# Altium PCB EPS_v1.PcbDoc (part 4 of 4)
Units mil, origin at the board's own origin, x right, y up, seen from the top; angles counter-clockwise.
Board outline 3775.2 x 3550 mil, 6 copper layers (Top Layer, GND1, PWR, Signal, GND2, Bottom Layer), stack 55.912 mil thick; 413 components, 280 nets, 1452 pads, 325 vias.
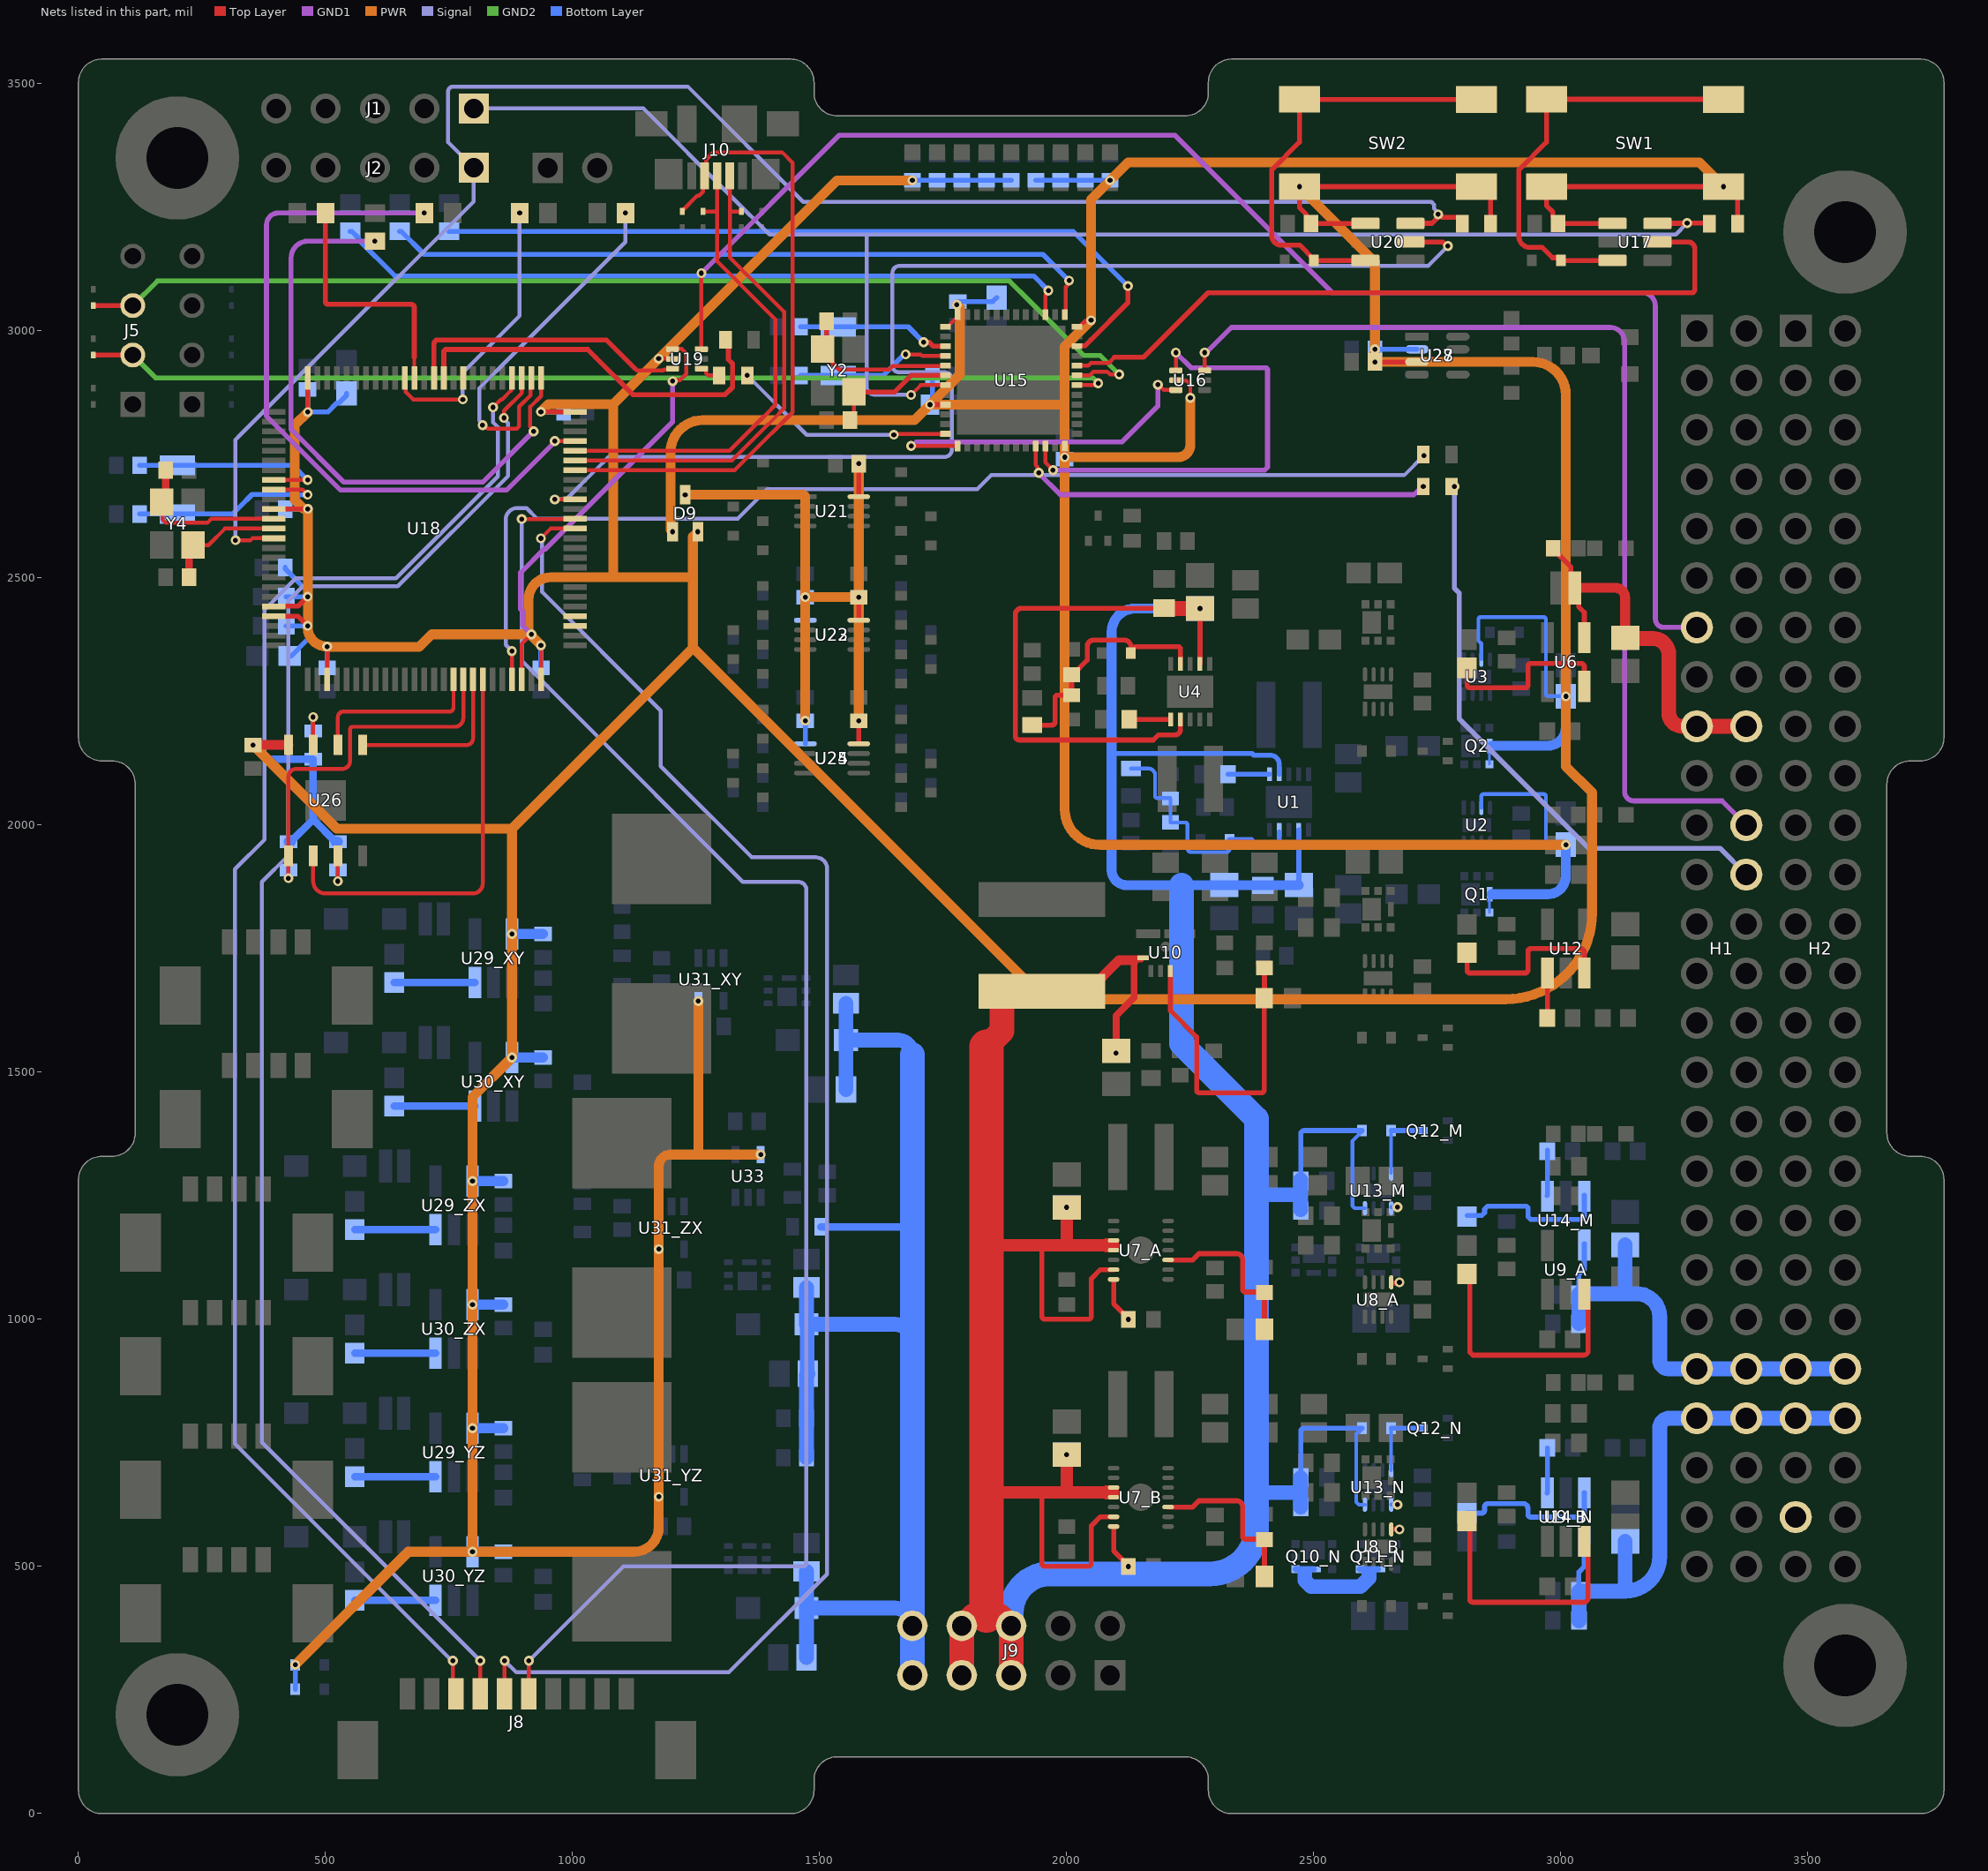
[diagram p8: the nets of this part, all layers, seen from the top]

## Via types
v1: diameter 20, hole 10, Top Layer to Signal, 73 vias
v2: diameter 20, hole 10, Top Layer to Bottom Layer, 52 vias
v3: diameter 20, hole 10, Top Layer to GND1, 48 vias
v4: diameter 19.68, hole 7.87, Top Layer to Bottom Layer, 38 vias
v5: diameter 20, hole 10, Signal to Bottom Layer, 27 vias
v6: diameter 19, hole 10, Top Layer to GND1, 20 vias
v7: diameter 20, hole 10, PWR to Bottom Layer, 18 vias
v8: diameter 20, hole 10, Top Layer to GND2, 12 vias
v9: diameter 20, hole 10, Top Layer to PWR, 11 vias
v10: diameter 20, hole 10, GND2 to Bottom Layer, 10 vias
v11: diameter 20, hole 10, GND1 to Bottom Layer, 9 vias
v12: diameter 19, hole 10, GND2 to Bottom Layer, 4 vias
v13: diameter 19, hole 10, Top Layer to Bottom Layer, 3 vias

## Nets (pads, with @x,y where several pads share a name; then routed paths per layer and width w, separated by ;. In a path a pad name is that pad's centre, name@x,y a point inside that pad or via, vN(x,y) a via of type N, cw(c..) or ccw(c..) an arc to the next point about the centre after c; other vN are vias at no path point) (continued)
NetQ10_N_4: Q10_N.4 Q10_N.7 Q11_N.4 Q11_N.7 | length 232.8
  Bottom Layer w12: Q10_N.4@2463.09,494.41 Q10_N.7@2500,494.41 ; Q11_N.4@2593.09,494.41 2611.55,494.41 Q11_N.7@2630,494.41
  Bottom Layer w30: 2481.73,472.33 2494.86,459.2 2593.97,459.2 2611.55,476.77 2611.55,485 ; 2481.73,476.77 2481.73,485
NetQ12_M_3: Q12_M.3 R51_M.2 U13_M.4 | length 148.5
  Bottom Layer w7.5: U13_M.4@2656.57,1296.93 R51_M.2@2656.57,1381.97
  Bottom Layer w10: R51_M.2@2656.57,1381.97 Q12_M.3@2720,1381.97
NetQ12_N_3: Q12_N.3 R51_N.2 U13_N.4 | length 148.5
  Bottom Layer w7.5: U13_N.4@2656.57,694.96 R51_N.2@2656.57,780
  Bottom Layer w10: R51_N.2@2656.57,780 Q12_N.3@2720,780
NetR2_2: R2.2 U1.1 | length 84.1
  Bottom Layer w10: R2.2@2326.57,2103.01 U1.1@2410.63,2103.01
NetR3_2: R3.2 R4.2 R5.2 R6.1 U1.9 | length 499.8
  Bottom Layer w7.5: R6.1@2130,2114.47 2165.35,2114.47 cw(c2165.35,2101.11) 2178.71,2101.11 2178.71,2059.09 ccw(c2183.11,2059.09) 2183.11,2054.7 R5.2@2209.4,2054.7 ; R5.2@2210,2053.8 R4.2@2210,2005.62 2210.47,2005.16 2240.06,2005.16 cw(c2240.06,2000.76) 2244.45,2000.76 2244.45,1953.14 ccw(c2252.12,1953.14) 2252.12,1945.47 2323.17,1945.47 ccw(c2323.17,1951.83) 2329.53,1951.83 R3.2@2329.53,1970.53
  Bottom Layer w10: R3.2@2329.53,1970.53 2373.96,1970.53 2381.97,1962.53 2421.56,1962.53 ccw(c2421.56,1971.02) 2430.05,1971.02 U1.9@2430.05,1985.8
NetR12_2: R12.2 U4.1 | length 84.1
  Top Layer w10: R12.2@2126.57,2213.9 U4.1@2210.63,2213.9
NetR13_2: R13.2 R14.2 R15.2 R16.1 U4.9 | length 505.4
  Top Layer w10: R16.1@1930,2202.44 1970.32,2202.44 ccw(c1970.32,2208.3) 1976.18,2208.3 1976.18,2257.25 cw(c1982.04,2257.25) 1982.04,2263.11 R15.2@2010,2263.11 R14.2@2010,2304.38 2012.08,2304.38 2041.47,2333.77 2041.47,2361.37 cw(c2054.62,2361.37) 2054.62,2374.52 2105.91,2374.52 2115.69,2374.52 cw(c2115.69,2360.2) 2130.01,2360.46 cw(c2120.01,2360.35) 2130.01,2360.34 2130.01,2360.14 2129.81,2355.02 R13.2@2129.53,2348.21 cw(c2142.69,2348.21) 2142.69,2361.37 2224.38,2361.37 cw(c2224.38,2355.51) 2230.24,2355.51 2230.24,2326.18 U4.9@2230.31,2326.1
NetR21_2: R21.2 U6.3 | length 377.7
  Top Layer w10: R21.2@2810,2319.15 2810,2283.72 ccw(c2815.86,2283.72) 2815.86,2277.86 2927.37,2277.86 ccw(c2927.37,2283.72) 2933.23,2283.72 2933.23,2321.21 cw(c2939.09,2321.21) 2939.09,2327.07 3040.63,2327.07 cw(c3040.63,2320.3) 3047.4,2320.3 U6.3@3047.4,2277.86 ; U6.3@3047.4,2280.79 U6.3@3055.2,2272.99
NetR26_A_1: R26_A.1 R27_A.2 U7_A.3 | length 345
  Top Layer w10: U7_A.3@2205.12,1120.31 2254.94,1120.31 2267.51,1132.89 2344.38,1132.89 cw(c2344.38,1121.39) 2355.88,1121.39 2355.88,1061.14 ccw(c2361.73,1061.14) 2361.73,1055.29 2399.09,1055.29 R26_A.1@2400,1054.38 R27_A.2@2400,980
NetR26_B_1: R26_B.1 R27_B.2 U7_B.3 | length 345
  Top Layer w10: U7_B.3@2205.12,620.31 2254.94,620.31 2267.51,632.89 2344.38,632.89 cw(c2344.38,621.39) 2355.88,621.39 2355.88,561.14 ccw(c2361.73,561.14) 2361.73,555.29 2399.09,555.29 R26_B.1@2400,554.38 R27_B.2@2400,480
NetR32_A_2: R32_A.2 U9_A.3 | length 525
  Top Layer w10: R32_A.2@2810,1092.07 2815.86,1086.22 2815.86,933.52 2821.72,927.66 3045.67,927.66 ccw(c3045.67,937.18) 3055.2,937.18 3055.2,1042.99 U9_A.3@3047.4,1050.79
NetR32_B_2: R32_B.2 U9_B.3 | length 524.6
  Top Layer w10: R32_B.2@2810,592.07 2815.86,576.31 2815.86,433.52 ccw(c2821.72,433.52) 2821.72,427.66 3045.67,427.66 ccw(c3045.67,437.18) 3055.2,437.18 3055.2,542.99 U9_B.3@3047.4,550.79
NetR38_2: R38.2 R39.2 U10.6 | length 652.8
  Top Layer w10: U10.6@2209.84,1704.72 2209.84,1624.68 2262.91,1571.6 2262.91,1464.2 ccw(c2268.77,1464.2) 2268.77,1458.34 2393.71,1458.34 ccw(c2393.71,1464.2) 2399.56,1464.2 R39.2@2399.56,1650 2400,1650.44 R38.2@2400,1710.97
NetR46_2: R46.2 U12.3 | length 366.7
  Top Layer w10: R46.2@2810,1742.07 2810,1706.65 ccw(c2815.86,1706.65) 2815.86,1700.79 2927.37,1700.79 ccw(c2927.37,1706.65) 2933.23,1706.65 2933.23,1744.14 cw(c2939.09,1744.14) 2939.09,1750 3040.63,1750 cw(c3040.63,1743.23) 3047.4,1743.23 U12.3@3047.4,1700.79
NetR47_1: R47.1 U12.1 | length 90.8
  Top Layer w10: R47.1@2972.6,1610 U12.1@2972.6,1700.79
NetR53_M_2: R53_M.2 U14_M.3 | length 317
  Bottom Layer w10: R53_M.2@2810,1209.89 2839.7,1209.89 2845.55,1215.75 2845.55,1222.61 2852.21,1229.26 2929.72,1229.26 2933.23,1225.75 2933.23,1207.83 2939.09,1201.97 3041.54,1201.97 3047.4,1207.83 U14_M.3@3047.4,1251.18
NetR53_N_2: R53_N.2 U14_N.3 | length 318.7
  Bottom Layer w10: R53_N.2@2810,607.93 2839.7,607.93 ccw(c2839.7,613.78) 2845.56,613.78 2845.56,620.64 cw(c2852.21,620.64) 2852.21,627.3 2923.46,627.3 cw(c2923.46,617.53) 2933.23,617.53 2933.23,605.86 ccw(c2939.09,605.86) 2939.09,600 3041.54,600 ccw(c3041.54,605.86) 3047.4,605.86 U14_N.3@3047.4,649.21
NetR56_M_1: R56_M.1 U14_M.1 | length 91.8
  Bottom Layer w10: U14_M.1@2971.89,1250.47 2972.6,1251.18 R56_M.1@2972.6,1341.97
NetR56_N_1: R56_N.1 U14_N.1 | length 91.8
  Bottom Layer w10: U14_N.1@2971.89,648.5 U14_N.1@2972.6,649.21 R56_N.1@2972.6,740
NetR60_2: R60.2 SW1.1 SW1.2 U17.3 | length 871.9
  Top Layer w10: U17.3@3104.53,3142.6 R60.2@3000.39,3142.6 3000.39,3143.28 2995.55,3148.13 2983.05,3148.13 2962.27,3168.91 2937.36,3168.91 cw(c2937.36,3191.24) 2915.03,3191.24 2915.03,3325.88 2970.87,3381.72 SW1.1@2970.87,3468.58 SW1.2@3328.74,3468.58
NetR67_2: R67.2 SW2.1 SW2.2 U20.3 | length 872
  Top Layer w10: U20.3@2604.53,3142.6 R67.2@2500.39,3142.6 2500.39,3144.57 2471.23,3173.73 2433.67,3173.73 cw(c2433.67,3192.37) 2415.03,3192.37 2415.03,3325.88 2470.87,3381.72 SW2.1@2470.87,3468.58 2471.26,3468.19 SW2.2@2829.13,3468.19
NetR111_2: R111.2 U26.3 | length 74.8
  Top Layer w8: v2(525,1886.5) 525,1935.94 U26.3@525.93,1936.87
  Top Layer w10: U26.3@525,1937.8 U26.3@525.93,1936.87
  Bottom Layer w8: v2(525,1886.5) R111.2@525,1909.25
NetR112_2: R112.2 U26.7 | length 84.4
  Top Layer w8: U26.7@475,2162.2 475,2207.48 v2(475,2218.7)
  Bottom Layer w8: R112.2@475,2190.75 v2(475,2218.7)
NetR117_XY_2: R117_XY.2 U29_XY.3 | length 163.5
  Bottom Layer w15: R117_XY.2@639.06,1681.43 U29_XY.3@802.6,1681.43
NetR117_YZ_2: R117_YZ.2 U29_YZ.3 | length 163.5
  Bottom Layer w15: R117_YZ.2@559.06,681.43 U29_YZ.3@722.6,681.43
NetR117_ZX_2: R117_ZX.2 U29_ZX.3 | length 163.5
  Bottom Layer w15: R117_ZX.2@559.06,1181.43 U29_ZX.3@722.6,1181.43
NetR120_XY_2: R120_XY.2 U30_XY.3 | length 163.5
  Bottom Layer w15: R120_XY.2@639.06,1431.43 U30_XY.3@802.6,1431.43
NetR120_YZ_2: R120_YZ.2 U30_YZ.3 | length 163.5
  Bottom Layer w15: R120_YZ.2@559.06,431.43 U30_YZ.3@722.6,431.43
NetR120_ZX_2: R120_ZX.2 U30_ZX.3 | length 163.5
  Bottom Layer w15: R120_ZX.2@559.06,931.43 U30_ZX.3@722.6,931.43
nRESET: J2.1 R68.2 U18.14 U20.6 | length 3457.1
  Top Layer w8: v1(317.9,2576.5) 348.33,2576.5 352.15,2580.31 U18.14@394.88,2580.31
  Top Layer w10: U20.6@2695.47,3217.4 2695.82,3217.75 2739.02,3217.75 2749.69,3228.42 2749.69,3233.87 v1(2751.6,3235.79) 2754.31,3235.79 2760.39,3229.7 2792.8,3229.7 2800.59,3221.91 R68.2@2800.59,3216.99
  Signal w8: v1(317.9,2576.5) 317.9,2780.03 325.83,2787.96 484.48,2946.61 800,3262.13 J2.1@800,3330 748.1,3381.9 748.1,3484.21 cw(c758.3,3484.21) 758.3,3494.41 1233.15,3494.41 1466.62,3260.93 2737.77,3260.93 2743.43,3255.27 2743.43,3247.21 2751.6,3239.03 v1(2751.6,3235.79)
nRESET_SR: J1.1 R61.2 U15.7 U17.6 | length 3161.4
  Top Layer w8: v1(1684.84,2870.47) 1704.53,2890.16 U15.7@1754.73,2890.16
  Top Layer w10: U17.6@3195.47,3217.4 3195.82,3217.75 3255.05,3217.75 v1(3255.4,3218.1) 3299.48,3218.1 R61.2@3300.59,3216.99
  Signal w8: J1.1@800,3450 1143.25,3450 1323.15,3270.1 1398.65,3194.6 1595.21,3194.6 ; v1(1684.84,2870.47) 1611.96,2870.47 cw(c1611.96,2887.22) 1595.21,2887.22 1595.21,3194.6 ; v1(3255.4,3218.1) 3232.39,3195.09 1595.7,3195.09 1595.21,3194.6
OBC_2_EPS: H1.13 U19.3 | length 3074.1
  Top Layer w8: U19.3@1260.61,2963.11 v3(1260.61,3116.77)
  GND1 w10: v3(1260.61,3116.77) 1539.74,3395.9 2218.69,3395.9 2537.19,3077.4 3164.11,3077.4 cw(c3164.11,3050.31) 3191.2,3050.31 3191.2,2417.37 ccw(c3208.57,2417.37) 3208.57,2400 H1.13@3275.2,2400
OBC_2_SR: H1.22 U16.3 | length 2111.4
  Top Layer w8: U16.3@2279.13,2919.68 v3(2279.13,2956.1)
  GND1 w10: v3(2279.13,2956.1) 2282.38,2956.1 2333.37,3007.09 3100,3007.09 cw(c3100,2978.29) 3128.8,2978.29 3128.8,2068.11 ccw(c3147.91,2068.11) 3147.91,2049 3326.2,2049 H1.22@3375.2,2000
OTG_DM: D18.1 J10.2 U18.70 | length 1006.1
  Top Layer w8: U18.70@1005.12,2737.8 1322.52,2737.8 1394.51,2809.79 1394.79,2809.79 1418.81,2833.8 1418.81,2834.09 1427.91,2843.19 1427.91,3038.89 1318.09,3148.71 1318.09,3241.54 ; J10.2@1318.09,3314.06 1318.09,3241.54 ; D18.1@1341.2,3241.54 1318.09,3241.54
OTG_DP: D19.1 J10.3 U18.71 | length 985.1
  Top Layer w8: U18.71@1005.12,2757.48 1317.45,2757.48 1387.26,2827.29 1387.55,2827.29 1401.31,2841.05 1401.31,2841.34 1410.41,2850.44 1410.41,3023.09 1292.5,3141 1292.5,3241.54 ; D19.1@1263.8,3241.54 1292.5,3241.54 ; J10.3@1292.5,3314.06 1292.5,3241.54
OTG_ID: D20.1 J10.4 U18.69 | length 1304.9
  Top Layer w8: U18.69@1005.12,2718.11 1046.61,2718.11 1327.87,2718.11 1402.04,2792.29 1402.33,2792.29 1445.41,2835.37 1445.41,3340.08 1424.08,3361.41 1284.74,3361.41 1270.14,3346.81 J10.4@1270.14,3317.29 ; D20.1@1221.8,3243.2 1251.99,3273.39 1255.77,3273.39 1263.68,3281.3 1263.68,3310.46 J10.4@1267.09,3313.87
PC14: C68.1 U18.8 Y3.1 | length 421.3
  Top Layer w8: U18.8@394.88,2698.43 v2(463.78,2698.43)
  Bottom Layer w10: C68.1@123.62,2727.95 Y3.1@200,2727.95 325.83,2727.95 434.25,2727.95 v2(463.78,2698.43)
PC14_SR: C53.1 U15.3 Y1.1 | length 309.8
  Top Layer w8: U15.3@1754.51,2969.11 U15.3@1754.73,2968.9
  Top Layer w10: v1(1710.32,2976.98) 1722.03,2976.98 1729.9,2969.11 U15.3@1754.51,2969.11
  Bottom Layer w10: C53.1@1461.22,3008.27 Y1.1@1537.6,3008.27 1679.03,3008.27 v1(1710.32,2976.98)
  other v5: 1710.32,2976.98
PC15: C69.1 U18.9 Y3.2 | length 430
  Top Layer w8: U18.9@394.88,2678.74 453.5,2678.74 v2(463.78,2668.46)
  Bottom Layer w10: C69.1@123.62,2629.53 Y3.2@200,2629.53 311.97,2629.53 325.83,2643.39 351.53,2669.09 438.24,2669.09 438.86,2668.46 v2(463.78,2668.46)
PC15_SR: C54.1 U15.4 Y1.2 | length 312.5
  Top Layer w8: v1(1673.99,2952.47) 1704.02,2952.47 1707.28,2949.21 U15.4@1754.73,2949.21
  Bottom Layer w10: C54.1@1461.22,2909.84 Y1.2@1537.6,2909.84 1628.54,2909.84 1671.17,2952.47 v1(1673.99,2952.47)
  other v5: 1673.99,2952.47
PG_3V3_1_BUCK: R28_A.1 U7_A.14 | length 93.2
  Top Layer w10: U7_A.14@2094.88,1080.94 2094.88,1031.57 2124.38,1002.08 v1(2124.38,1000)
PG_3V3_1_OCP: U8_A.5 | length 15.7
  Top Layer w10: U8_A.5@2658.2,1073.6 2671.95,1073.6 v1(2673.31,1074.96)
PG_3V3_2_BUCK: R28_B.1 U7_B.14 | length 93.2
  Top Layer w10: U7_B.14@2094.88,580.94 2094.88,531.57 2124.38,502.08 v1(2124.38,500)
PG_3V3_2_OCP: U8_B.5 | length 16.1
  Top Layer w10: U8_B.5@2657.75,574.6 2658.55,575.4 2672.87,575.4 v1(2673.31,574.96)
PG_UNREG1: U13_M.5 | length 12.4
  Bottom Layer w8: U13_M.5@2656.92,1227.01 v11(2669.37,1227.01)
PG_UNREG2: U13_N.5 | length 12.4
  Bottom Layer w8: U13_N.5@2656.93,625.04 v11(2669.37,625.04)
PH0: C71.1 U18.12 Y4.3 | length 334.8
  Top Layer w8: Y4.3@168.5,2653.15 169.91,2651.74 169.91,2618.28 176.6,2611.59 260.92,2611.59 269.01,2619.68 U18.12@394.88,2619.68
  Top Layer w15: Y4.3@168.5,2653.15 176.38,2661.02 C71.1@176.38,2718.11
PH0_SR: C56.1 U15.5 Y2.3 | length 333.8
  Top Layer w8: 1539.67,2921.43 1639.99,2921.43 1647.53,2928.97 1754.17,2928.97 U15.5@1754.73,2929.53
  Top Layer w9: C56.1@1513.98,3019.68 1513.98,2970.87 Y2.3@1506.1,2962.99 1525.23,2943.87 1525.23,2935.88 1539.67,2921.43
PH1: C70.1 U18.13 Y4.1 | length 245.5
  Top Layer w8: Y4.1@231.5,2566.54 263.04,2566.54 296.5,2600 U18.13@394.88,2600
  Top Layer w15: C70.1@223.62,2501.57 223.62,2558.66 Y4.1@231.5,2566.54
PH1_SR: C55.1 U15.6 Y2.1 | length 259.4
  Top Layer w8: C55.1@1561.22,2819.68 1569.1,2827.56 Y2.1@1569.1,2876.38
  Top Layer w10: Y2.1@1569.1,2876.38 1651.72,2876.38 1685.18,2909.84 U15.6@1754.73,2909.84
QUADSPI_BK1_IO0: U18.43 U26.5 | length 350.6
  Top Layer w8: U26.5@575,2162.2 785.54,2162.2 ccw(c785.54,2175.09) 798.43,2175.09 U18.43@798.43,2294.88
QUADSPI_BK1_IO1: U18.44 U26.2 | length 832.8
  Top Layer w8: U26.2@475,1937.8 475,1886.5 ccw(c499.5,1886.5) 499.5,1862 798.43,1862 ccw(c798.43,1881.68) 818.11,1881.68 U18.44@818.11,2294.88
QUADSPI_BK1_NCS: R127.2 U18.42 U26.1 | length 749.7
  Top Layer w8: v2(425,1892.52) U26.1@425,1937.8 425,2098.01 cw(c440.94,2098.01) 440.94,2113.95 533.96,2113.95 ccw(c533.96,2129.92) 549.93,2129.92 549.93,2194.31 cw(c554.62,2194.31) 554.62,2199 761.45,2199 ccw(c761.45,2216.29) 778.74,2216.29 U18.42@778.74,2294.88
  Bottom Layer w8: v2(425,1892.52) R127.2@425,1909.25
QUADSPI_CLK: U18.41 U26.6 | length 358.3
  Top Layer w8: U26.6@525,2162.2 525,2218.56 cw(c536.2,2218.56) 536.2,2229.76 750.55,2229.76 ccw(c750.55,2238.27) 759.06,2238.27 U18.41@759.06,2294.88
RBF_OPEN: H2.49
SPI2_MISO: U18.53
SPI2_MOSI: U18.54
SPI2_SCK: U18.84
SR_2_EPS: R59.1 U19.1 | length 45.9
  Top Layer w8: U19.1@1260.61,2923.74 1267.89,2923.74 1269.8,2921.83 1269.8,2914.55 1274.51,2909.84 R59.1@1296.46,2909.84
SR_2_OBC: H1.24 R58.1 | length 1185.4
  Signal w10: v1(2784.45,2685) 2784.45,2479.51 2794.25,2469.71 2794.25,2215.16 3056.39,1953.02 3322.18,1953.02 H1.24@3375.2,1900
SWCLK: R70.1 U18.76 | length 1234.1
  Top Layer w8: v3(921.17,2796.85) 921.17,2800.1 914.31,2806.96 914.31,2846.34 936.22,2868.25 U18.76@936.22,2905.12
  GND1 w10: v3(600,3181.46) 464.19,3181.46 ccw(c464.19,3147.46) 430.2,3147.46 430.2,2800.73 537.15,2693.78 818.1,2693.78 v3(921.17,2796.85)
SWCLK_SR: R63.1 U15.37 | length 1468.5
  Top Layer w8: U15.37@1995.87,3032.87 1997.63,3034.64 1997.63,3088.93 2004.65,3095.95 v1(2004.65,3101.75)
  Bottom Layer w10: R63.1@650,3201.46 652.95,3201.46 699.71,3154.7 1951.7,3154.7 v1(2004.65,3101.75)
  other v5: 2004.65,3101.75
SWDIO: R69.1 U18.72 | length 1448.4
  Top Layer w8: v3(964.1,2777.17) U18.72@1005.12,2777.17
  GND1 w10: v3(700,3238.54) 404.53,3238.54 ccw(c404.53,3214.6) 380.58,3214.6 380.58,2827.72 530.52,2677.78 865.86,2677.78 964.1,2776.02 v3(964.1,2777.17)
SWDIO_SR: R62.1 U15.34 | length 1593.1
  Top Layer w10: U15.34@2020.47,2968.9 2021.25,2969.68 2036.68,2969.68 2049.17,2982.17 2123.62,3056.61 v1(2123.62,3090.7)
  Bottom Layer w10: R62.1@750,3201.46 2012.87,3201.46 v1(2123.62,3090.7)
  other v5: 2123.62,3090.7
SWO: R71.1 U18.89 | length 505.3
  Top Layer w8: 679.6,2946.61 679.6,2905.83 U18.89@680.32,2905.12
  Top Layer w10: R71.1@500,3235.59 500,3059.41 ccw(c505.86,3059.41) 505.86,3053.55 673.74,3053.55 cw(c673.74,3047.69) 679.6,3047.69 679.6,2946.61
SWO_SR: R64.1 U15.39 | length 1513.7
  Top Layer w8: U15.39@1955.2,3035.2 1956.5,3036.5 1956.5,3071.95 1962.8,3078.25 v5(1962.8,3081.5)
  Bottom Layer w10: R64.1@550,3201.46 552.95,3201.46 566.67,3187.74 566.67,3184.79 640.26,3111.2 1933.1,3111.2 v5(1962.8,3081.5)
  other v1: 1962.8,3081.5
TDI: R73.1 U18.77 | length 742.9
  Top Layer w8: v1(817.82,2809.14) 821.07,2809.14 828.16,2802.04 886.92,2802.04 891.83,2806.96 891.83,2846.49 914.84,2869.5 914.84,2903.74 916.22,2905.12 U18.77@916.54,2905.12
  Signal w8: v1(817.82,2809.14) 817.82,2812.39 811.7,2818.51 811.7,2884.54 873.78,2946.61 1107.09,3179.92 1107.09,3237.59 v1@1108.5,3239
  other v1: 1107.09,3238.54
TIM3_CH1: J8.5 U18.63 | length 3304.1
  Top Layer w8: J8.5@862.39,242.39 v1(862.39,309.4) ; v1(935.81,2580.31) 955.49,2600 U18.63@1005.12,2600
  Signal w8: v1(862.39,309.4) 885.89,285.9 1316.2,285.9 1514.8,484.5 1514.8,1912.3 ccw(c1492.2,1912.3) 1492.2,1934.9 1362.47,1934.9 1178.4,2118.97 1178.4,2231.8 938.1,2472.1 938.1,2578.02 v1(935.81,2580.31)
TIM3_CH2: J8.6 U18.64 | length 3239.7
  Top Layer w8: v1(896.85,2619.3) 897.04,2619.49 1004.93,2619.49 U18.64@1005.12,2619.68 ; J8.6@911.61,242.39 v1(911.61,309.4)
  Signal w8: v1(896.85,2619.3) 896.85,2360.73 897.1,2360.48 897.1,2343.92 896.85,2343.67 896.85,2333.05 990.29,2239.61 1344.5,1885.4 1456.01,1885.4 cw(c1456.01,1868.11) 1473.31,1868.11 1473.31,504.69 1468.62,500 1102.21,500 v1(911.61,309.4)
TRST: R72.1 U18.90 | length 576
  Top Layer w8: U18.90@660.63,2905.12 662.41,2903.34 662.41,2876.53 677.71,2861.22 v1(777.72,2861.22)
  Signal w8: v1(777.72,2861.22) 777.72,2915.32 809.01,2946.61 892.91,3030.51 v1(892.91,3238.54)
UART4_RX: J8.3 U18.79 | length 3209.9
  Top Layer w8: v1(757.79,309.4) 757.79,248.56 J8.3@763.97,242.39 ; v1(838.97,2845.43) 854.7,2861.15 857.19,2861.15 875.26,2879.23 875.26,2903.21 U18.79@877.17,2905.12
  Signal w8: v1(757.79,309.4) 755.38,309.4 316.6,748.18 316.6,1910.8 376.87,1971.07 376.87,2253.39 376.87,2436.32 439.81,2499.26 642.55,2499.26 848.69,2705.4 848.69,2805.28 838.97,2815 v1(838.97,2845.43)
UART4_TX: J8.4 U18.78 | length 3183
  Top Layer w8: J8.4@813.18,242.39 v1(813.18,309.4) ; v1(861.04,2824.04) 861.46,2824.46 861.46,2838.74 896.85,2874.14 U18.78@896.85,2905.12
  Signal w8: v1(813.18,309.4) 371.3,751.28 371.3,1885.4 425,1939.1 425,2253.39 425,2453.83 454.43,2483.26 646.35,2483.26 869.63,2706.54 869.63,2806.97 869.21,2807.39 869.21,2813.36 861.04,2821.53 v1(861.04,2824.04)